# KiCad board ddr5-testbed.kicad_pcb (continued)
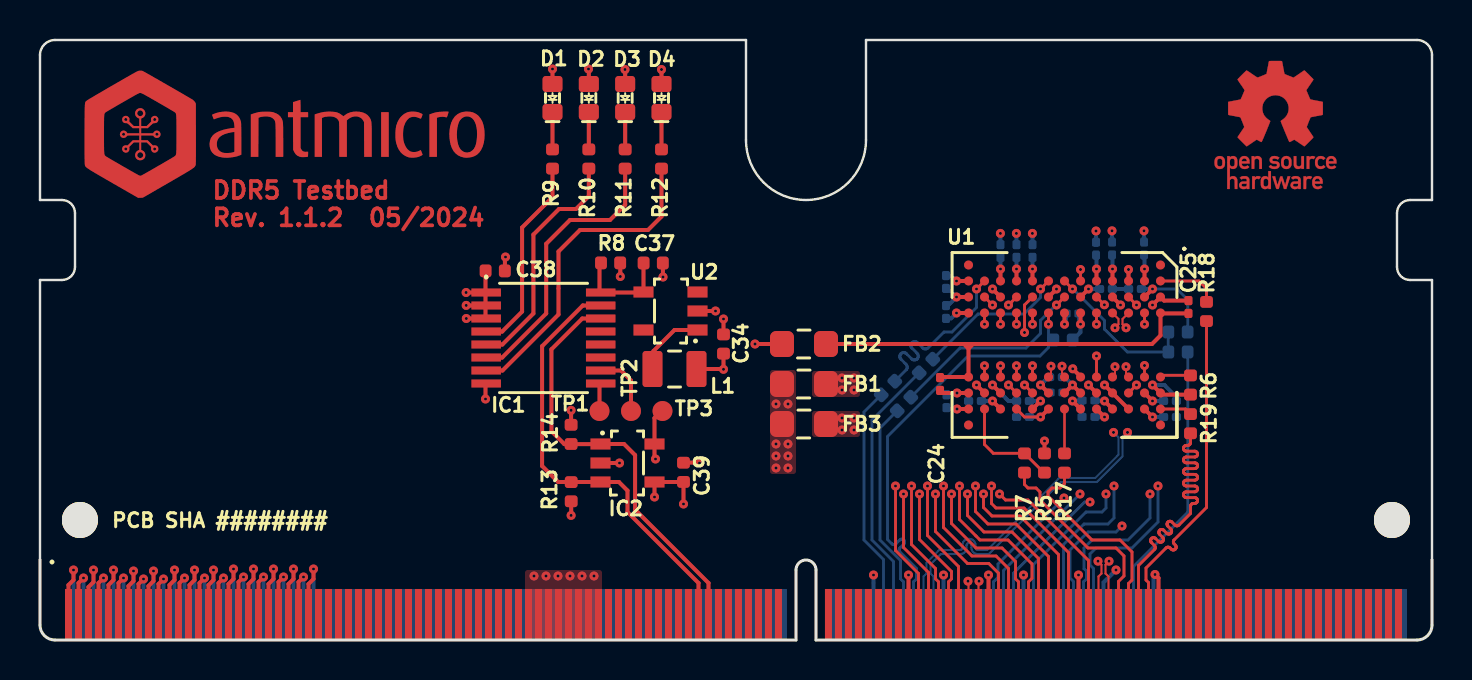
[diagram p0: board, top side]
## Routing (per net, layer and track width the routed paths; a pad name or vN(x,y) marks a point on that pad's centre or on a via; arc(x,y) is an arc through that point) (continued)
CA12: length 19.5
  Top w0.145: 47.22,16.35 v1(47.22,15.79) ; v1(42.78,7.7) 42.78,4.48 43.93,3.33 J1.163
  In2.Cu w0.102: v1(42.78,7.7) 42.78,15.05 43.19,15.47 46.9,15.47 v1(47.22,15.79)
CA13: length 20
  Top w0.145: 47.22,13.15 v1(47.22,13.71) ; J1.185 49.43,2.91 49.6,3.08 49.6,3.8 48.4,5 47,5 45.97,6.03 v1(45.97,7.7)
  In2.Cu w0.102: v1(45.97,7.7) 45.97,10.97 46.2,11.2 47.1,11.2 47.2,11.3 47.2,11.63 47.2,11.66 47.19,11.68 47.18,11.7 47.16,11.71 47.14,11.73 47.12,11.73 47.1,11.74 46.3,11.74 46.28,11.74 46.26,11.75 46.24,11.76 46.22,11.77 46.21,11.79 46.2,11.82 46.2,11.84 46.2,11.86 46.21,11.88 46.22,11.9 46.24,11.92 46.26,11.93 46.28,11.94 46.3,11.94 47.1,11.94 47.12,11.94 47.14,11.95 47.16,11.96 47.18,11.98 47.19,12 47.2,12.02 47.2,12.04 47.2,12.06 47.19,12.09 47.18,12.1 47.16,12.12 47.14,12.13 47.12,12.14 47.1,12.14 46.35,12.14 46.33,12.15 46.31,12.15 46.29,12.16 46.27,12.18 46.26,12.2 46.25,12.22 46.25,12.24 46.25,12.27 46.26,12.29 46.27,12.31 46.29,12.32 46.31,12.34 46.33,12.34 46.35,12.35 47.1,12.35 47.12,12.35 47.14,12.36 47.16,12.37 47.18,12.38 47.19,12.4 47.2,12.42 47.2,12.45 47.2,13.69 v1(47.22,13.71)
CAI: length 11.7
  Bottom w0.145: 42.06,12.26 41.2,11.4 41.2,5 42.18,4.03 42.18,1.3
CLK_N: length 22
  Top w0.102: J1.173 46.43,2.91 v1(46.4,2.94) ; v1(50.55,13.69) 50.55,13.27 U1.H8
  In2.Cu w0.102: v1(46.4,2.94) 46.5,3.04 46.5,4.25 46.85,4.59 46.92,4.66 47.01,4.7 47.11,4.72 47.21,4.72 47.31,4.7 47.4,4.66 47.48,4.59 48.04,4.03 48.06,4.01 48.09,4 48.12,4 48.14,4 48.17,4 48.2,4.01 48.22,4.03 48.23,4.05 48.25,4.08 48.25,4.11 48.25,4.13 48.25,4.16 48.23,4.19 48.22,4.21 46.69,5.74 46.62,5.82 46.58,5.91 46.56,6 46.56,6.1 46.58,6.2 46.62,6.29 46.69,6.37 46.73,6.41 46.8,6.47 46.9,6.52 46.99,6.54 47.09,6.54 47.19,6.52 47.28,6.47 47.36,6.41 48.89,4.88 48.91,4.86 48.94,4.85 48.96,4.84 48.99,4.84 49.02,4.85 49.04,4.86 49.07,4.88 49.08,4.9 49.1,4.93 49.1,4.95 49.1,4.98 49.1,5.01 49.08,5.03 49.07,5.06 48.5,5.62 48.44,5.7 48.4,5.79 48.37,5.88 48.37,5.99 48.4,6.08 48.44,6.17 48.5,6.25 50.65,8.4 50.65,13.59 v1(50.55,13.69)
CLK_P: length 22
  Top w0.102: U1.G8 51.1,13.27 v1(51.1,13.69) ; v1(46.95,2.94) 46.93,2.91 J1.175
  In2.Cu w0.102: v1(46.95,2.94) 46.85,3.04 46.85,4.1 47.07,4.33 47.1,4.34 47.12,4.36 47.15,4.36 47.18,4.36 47.2,4.36 47.23,4.34 47.25,4.33 47.81,3.76 47.89,3.7 47.98,3.66 48.08,3.63 48.18,3.63 48.28,3.66 48.37,3.7 48.45,3.76 48.49,3.8 48.55,3.88 48.59,3.97 48.61,4.07 48.61,4.17 48.59,4.27 48.55,4.36 48.49,4.44 46.96,5.97 46.94,5.99 46.93,6.01 46.92,6.04 46.92,6.07 46.93,6.09 46.94,6.12 46.96,6.14 46.98,6.16 47,6.17 47.03,6.18 47.06,6.18 47.08,6.17 47.11,6.16 47.13,6.14 48.66,4.61 48.74,4.55 48.83,4.51 48.93,4.48 49.03,4.48 49.13,4.51 49.22,4.55 49.3,4.61 49.33,4.65 49.4,4.73 49.44,4.82 49.46,4.92 49.46,5.02 49.44,5.12 49.4,5.21 49.33,5.28 48.77,5.85 48.75,5.87 48.74,5.89 48.74,5.92 48.74,5.95 48.74,5.98 48.75,6 48.77,6.02 51,8.25 51,13.59 v1(51.1,13.69)
CS_N: length 22.3
  Top w0.145: 50.43,16.35 v1(50.43,15.79)
  Bottom w0.102: 50.43,14.97 50.45,15 50.66,15
  Bottom w0.145: 43.68,1.3 43.68,2.91 43.82,3.06 43.82,3.58 43,4.4 42.98,4.43 42.97,4.45 42.96,4.49 42.96,4.52 42.97,4.55 42.98,4.58 43,4.61 43.19,4.79 43.21,4.82 43.22,4.85 43.23,4.88 43.23,4.91 43.22,4.94 43.21,4.97 43.19,5 43.16,5.02 43.13,5.03 43.1,5.04 43.07,5.04 43.04,5.03 43.01,5.02 42.98,5 42.79,4.81 42.77,4.79 42.74,4.78 42.71,4.77 42.68,4.77 42.64,4.78 42.62,4.79 42.59,4.81 42.38,5.02 42.38,10.18 46.4,14.2 50,14.2 50.43,14.62 v1(50.43,15.79)
DQ0: length 20.4
  Top w0.145: 54.43,17.15 v1(54.82,16.75)
  In2.Cu w0.102: v1(55.9,7.7) 55.9,8.3 57.6,10 57.6,13.97 v1(54.82,16.75)
  Bottom w0.145: v1(55.9,7.7) 55.9,5.9 54.6,4.6 52.8,4.6 52.5,4.3 52.5,3.75 52.68,3.57 52.68,1.3
DQ1: length 20.4
  Top w0.145: 54.43,12.35 v1(54.82,12.75)
  In2.Cu w0.102: v1(53.7,7.7) 53.6,7.8 53.6,8 53.6,8.02 53.61,8.04 53.62,8.06 53.64,8.08 53.66,8.09 53.68,8.1 53.7,8.1 53.82,8.1 53.85,8.1 53.87,8.11 53.89,8.12 53.9,8.14 53.91,8.16 53.92,8.18 53.92,8.2 53.92,8.23 53.91,8.25 53.9,8.27 53.89,8.28 53.87,8.29 53.85,8.3 53.82,8.3 53.7,8.3 53.68,8.31 53.66,8.31 53.64,8.33 53.62,8.34 53.61,8.36 53.6,8.38 53.6,8.41 53.6,8.43 53.61,8.45 53.62,8.47 53.64,8.49 53.66,8.5 53.68,8.51 53.7,8.51 53.82,8.51 53.85,8.51 53.87,8.52 53.89,8.53 53.9,8.55 53.91,8.57 53.92,8.59 53.92,8.61 53.92,8.63 53.91,8.65 53.9,8.67 53.89,8.69 53.87,8.7 53.85,8.71 53.82,8.71 53.7,8.71 53.68,8.71 53.66,8.72 53.64,8.73 53.62,8.75 53.61,8.77 53.6,8.79 53.6,8.81 53.6,8.84 53.61,8.86 53.62,8.88 53.64,8.89 53.66,8.9 53.68,8.91 53.7,8.91 53.82,8.91 53.85,8.92 53.87,8.92 53.89,8.94 53.9,8.95 53.91,8.97 53.92,8.99 53.92,9.02 53.92,9.04 53.91,9.06 53.9,9.08 53.89,9.1 53.87,9.11 53.85,9.12 53.82,9.12 53.7,9.12 53.68,9.12 53.66,9.13 53.64,9.14 53.62,9.16 53.61,9.18 53.6,9.2 53.6,9.22 53.6,9.8 53.8,10 53.89,10 53.91,10 53.93,9.99 53.95,9.98 53.97,9.96 53.98,9.94 53.99,9.92 53.99,9.9 53.99,9.6 53.99,9.58 54,9.56 54.01,9.54 54.03,9.52 54.05,9.51 54.07,9.5 54.09,9.5 54.11,9.5 54.13,9.51 54.15,9.52 54.17,9.54 54.18,9.56 54.19,9.58 54.19,9.6 54.19,9.9 54.19,9.92 54.2,9.94 54.21,9.96 54.23,9.98 54.25,9.99 54.27,10 54.29,10 54.32,10 54.34,9.99 54.36,9.98 54.37,9.96 54.39,9.94 54.39,9.92 54.4,9.9 54.4,9.6 54.4,9.58 54.41,9.56 54.42,9.54 54.43,9.52 54.45,9.51 54.47,9.5 54.5,9.5 54.52,9.5 54.54,9.51 54.56,9.52 54.58,9.54 54.59,9.56 54.6,9.58 54.6,9.6 54.6,9.9 54.6,9.92 54.61,9.94 54.62,9.96 54.64,9.98 54.66,9.99 54.68,10 54.7,10 54.82,10.12 54.82,10.67 54.82,10.7 54.81,10.72 54.8,10.74 54.79,10.75 54.77,10.77 54.75,10.77 54.72,10.78 54.53,10.78 54.5,10.78 54.48,10.79 54.46,10.8 54.45,10.81 54.44,10.83 54.43,10.86 54.43,10.88 54.43,10.9 54.44,10.92 54.45,10.94 54.46,10.96 54.48,10.97 54.5,10.98 54.53,10.98 54.72,10.98 54.75,10.98 54.77,10.99 54.79,11 54.8,11.02 54.81,11.04 54.82,11.06 54.82,11.08 54.82,11.1 54.81,11.13 54.8,11.14 54.79,11.16 54.77,11.17 54.75,11.18 54.72,11.18 54.53,11.18 54.5,11.19 54.48,11.19 54.46,11.21 54.45,11.22 54.44,11.24 54.43,11.26 54.43,11.28 54.43,11.31 54.44,11.33 54.45,11.35 54.46,11.36 54.48,11.38 54.5,11.38 54.53,11.39 54.72,11.39 54.75,11.39 54.77,11.4 54.79,11.41 54.8,11.42 54.81,11.44 54.82,11.47 54.82,11.49 54.82,11.51 54.81,11.53 54.8,11.55 54.79,11.57 54.77,11.58 54.75,11.59 54.72,11.59 54.53,11.59 54.5,11.59 54.48,11.6 54.46,11.61 54.45,11.63 54.44,11.65 54.43,11.67 54.43,11.69 54.43,11.71 54.44,11.74 54.45,11.75 54.46,11.77 54.48,11.78 54.5,11.79 54.53,11.79 54.72,11.79 54.75,11.8 54.77,11.8 54.79,11.81 54.8,11.83 54.81,11.85 54.82,11.87 54.82,11.89 54.82,11.92 54.81,11.94 54.8,11.96 54.79,11.97 54.77,11.99 54.75,11.99 54.72,12 54.53,12 54.5,12 54.48,12.01 54.46,12.02 54.45,12.03 54.44,12.05 54.43,12.07 54.43,12.1 54.43,12.12 54.44,12.14 54.45,12.16 54.46,12.18 54.48,12.19 54.5,12.2 54.53,12.2 54.72,12.2 54.75,12.2 54.77,12.21 54.79,12.22 54.8,12.24 54.81,12.26 54.82,12.28 54.82,12.3 v1(54.82,12.75)
  Bottom w0.145: v1(53.7,7.7) 53.7,6.1 53.4,5.8 52.2,5.8 51.18,4.78 51.18,1.3
DQ2: length 21
  Top w0.145: 55.22,16.35 v1(55.22,15.79)
  In2.Cu w0.102: v1(55.22,15.79) 55.41,15.61 55.43,15.59 55.44,15.56 55.44,15.53 55.44,15.5 55.44,15.48 55.43,15.45 55.41,15.43 55.34,15.37 55.33,15.34 55.31,15.32 55.31,15.29 55.31,15.26 55.31,15.23 55.33,15.21 55.34,15.19 55.37,15.17 55.39,15.16 55.42,15.15 55.45,15.15 55.48,15.16 55.5,15.17 55.52,15.19 55.59,15.25 55.61,15.27 55.63,15.28 55.66,15.29 55.69,15.29 55.72,15.28 55.74,15.27 55.77,15.25 55.78,15.23 55.8,15.2 55.8,15.17 55.8,15.15 55.8,15.12 55.78,15.09 55.77,15.07 55.7,15.01 55.69,14.99 55.67,14.96 55.67,14.93 55.67,14.9 55.67,14.88 55.69,14.85 55.7,14.83 55.73,14.81 55.75,14.8 55.78,14.79 55.81,14.79 55.83,14.8 55.86,14.81 55.88,14.83 55.94,14.89 55.97,14.91 55.99,14.92 56.02,14.93 56.05,14.93 56.08,14.92 56.1,14.91 56.12,14.89 56.14,14.87 56.15,14.84 56.16,14.82 56.16,14.79 56.15,14.76 56.14,14.73 56.12,14.71 56.06,14.65 56.04,14.63 56.03,14.6 56.02,14.57 56.02,14.55 56.03,14.52 56.04,14.49 56.06,14.47 56.08,14.45 56.11,14.44 56.14,14.43 56.16,14.43 56.19,14.44 56.22,14.45 56.24,14.47 56.3,14.53 56.32,14.55 56.35,14.56 56.38,14.57 56.41,14.57 56.43,14.56 56.46,14.55 56.48,14.53 56.5,14.51 56.51,14.49 56.52,14.46 56.52,14.43 56.51,14.4 56.5,14.38 56.48,14.35 56.42,14.29 56.4,14.27 56.39,14.24 56.38,14.22 56.38,14.19 56.39,14.16 56.4,14.13 56.42,14.11 56.44,14.09 56.47,14.08 56.49,14.08 56.52,14.08 56.55,14.08 56.58,14.09 56.6,14.11 56.66,14.18 56.68,14.19 56.71,14.21 56.74,14.21 56.76,14.21 56.79,14.21 56.82,14.19 56.84,14.18 57.2,13.81 57.2,10.2 55.5,8.5 v1(55.5,7.3)
  Bottom w0.145: v1(55.5,7.3) 55.5,6.1 54.4,5 52.6,5 52.2,4.6 52.2,3.57 52.32,3.44 52.32,3.06 52.18,2.91 52.18,1.3
DQ3: length 20.4
  Top w0.145: U1.B8 v1(55.22,13.72)
  In2.Cu w0.102: v1(55.22,13.72) 55.22,10.84 55.23,10.82 55.24,10.79 55.25,10.77 55.26,10.76 55.28,10.75 55.3,10.74 55.33,10.74 55.57,10.74 55.6,10.73 55.62,10.73 55.64,10.71 55.65,10.7 55.66,10.68 55.67,10.66 55.68,10.63 55.67,10.61 55.66,10.59 55.65,10.57 55.64,10.56 55.62,10.54 55.6,10.54 55.57,10.53 55.33,10.53 55.3,10.53 55.28,10.52 55.26,10.51 55.25,10.49 55.24,10.48 55.23,10.45 55.22,10.43 55.23,10.41 55.24,10.39 55.25,10.37 55.26,10.35 55.28,10.34 55.3,10.33 55.33,10.33 55.57,10.33 55.6,10.33 55.62,10.32 55.64,10.31 55.65,10.29 55.66,10.27 55.67,10.25 55.68,10.23 55.67,10.21 55.66,10.18 55.65,10.16 55.64,10.15 55.62,10.14 55.6,10.13 55.57,10.13 55.33,10.13 55.3,10.12 55.28,10.12 55.26,10.1 55.25,10.09 55.24,10.07 55.23,10.05 55.22,10.03 55.22,9.72 54.3,8.8 54.3,7.22 54.3,7.2 54.29,7.18 54.28,7.16 54.26,7.14 54.24,7.13 54.22,7.12 54.2,7.12 53.73,7.12 53.7,7.12 53.68,7.11 53.66,7.1 53.65,7.08 53.64,7.06 53.63,7.04 53.63,7.02 53.63,6.99 53.64,6.97 53.65,6.95 53.66,6.94 53.68,6.92 53.7,6.92 53.73,6.91 54.2,6.91 54.22,6.91 54.24,6.9 54.26,6.89 54.28,6.88 54.29,6.86 54.3,6.84 54.3,6.81 54.3,6.79 54.29,6.77 54.28,6.75 54.26,6.73 54.24,6.72 54.22,6.71 54.2,6.71 53.73,6.71 53.7,6.71 53.68,6.7 53.66,6.69 53.65,6.67 53.64,6.65 53.63,6.63 53.63,6.61 53.63,6.59 53.64,6.57 53.65,6.55 53.66,6.53 53.68,6.52 53.7,6.51 53.73,6.51 54.2,6.51 54.22,6.51 54.24,6.5 54.26,6.49 54.28,6.47 54.29,6.45 54.3,6.43 54.3,6.41 54.3,6.38 54.29,6.36 54.28,6.34 54.26,6.33 54.24,6.31 54.22,6.31 54.2,6.3 53.73,6.3 53.7,6.3 53.68,6.29 53.66,6.28 53.65,6.27 53.64,6.25 53.63,6.23 53.63,6.2 53.63,6.18 53.64,6.16 53.65,6.14 53.66,6.12 53.68,6.11 53.7,6.1 53.73,6.1 54.2,6.1 54.22,6.1 54.24,6.09 54.26,6.08 54.28,6.06 54.29,6.04 54.3,6.02 54.3,6 54.3,5.9 v1(54.1,5.7)
  Bottom w0.145: v1(54.1,5.7) 53.8,5.4 52.4,5.4 51.5,4.5 51.5,3.1 51.68,2.92 51.68,1.3
DQ4: length 20.4
  Top w0.145: 52.82,17.15 53.22,16.76 v1(53.22,16.76)
  In2.Cu w0.102: v1(53.22,16.76) 53.22,16.33 53.22,16.3 53.23,16.28 53.24,16.26 53.26,16.25 53.28,16.23 53.3,16.23 53.32,16.22 53.49,16.22 53.51,16.22 53.53,16.21 53.55,16.2 53.57,16.19 53.58,16.17 53.58,16.15 53.59,16.12 53.58,16.1 53.58,16.08 53.57,16.06 53.55,16.04 53.53,16.03 53.51,16.02 53.49,16.02 53.32,16.02 53.3,16.02 53.28,16.01 53.26,16 53.24,15.98 53.23,15.96 53.22,15.94 53.22,15.92 53.22,15.28 53.22,15.26 53.23,15.24 53.24,15.22 53.26,15.2 53.28,15.19 53.3,15.18 53.32,15.18 53.47,15.18 53.49,15.18 53.51,15.17 53.53,15.16 53.55,15.14 53.56,15.12 53.57,15.1 53.57,15.08 53.57,15.05 53.56,15.03 53.55,15.01 53.53,15 53.51,14.99 53.49,14.98 53.47,14.98 53.32,14.98 53.3,14.97 53.28,14.97 53.26,14.95 53.24,14.94 53.23,14.92 53.22,14.9 53.22,14.87 53.22,14.85 53.23,14.83 53.24,14.81 53.26,14.79 53.28,14.78 53.3,14.77 53.32,14.77 53.47,14.77 53.49,14.77 53.51,14.76 53.53,14.75 53.55,14.73 53.56,14.71 53.57,14.69 53.57,14.67 53.57,14.65 53.56,14.63 53.55,14.61 53.53,14.59 53.51,14.58 53.49,14.57 53.47,14.57 53.32,14.57 53.3,14.57 53.28,14.56 53.26,14.55 53.24,14.53 53.23,14.51 53.22,14.49 53.22,14.47 53.22,14.44 53.23,14.42 53.24,14.4 53.26,14.39 53.28,14.38 53.3,14.37 53.32,14.37 53.47,14.37 53.49,14.36 53.51,14.36 53.53,14.34 53.55,14.33 53.56,14.31 53.57,14.29 53.57,14.26 53.57,14.24 53.56,14.22 53.55,14.2 53.53,14.18 53.51,14.17 53.49,14.16 53.47,14.16 53.32,14.16 53.3,14.16 53.28,14.15 53.26,14.14 53.24,14.12 53.23,14.1 53.22,14.08 53.22,14.06 53.22,13.52 53.6,13.14 53.6,10.86 53.3,10.56 53.3,7.3 v1(53.3,7.3)
  Bottom w0.145: v1(53.3,7.3) 53.3,6.6 53.1,6.4 52.3,6.4 49.68,3.78 49.68,1.3
DQ5: length 20.4
  Top w0.2: 52.82,12.35 v1(52.43,12.75)
  In2.Cu w0.102: v1(52.43,12.75) 52.43,12.72 52.3,12.6 52.3,11.5 52,11.2 52,11.1 52,11.08 52.01,11.06 52.02,11.04 52.04,11.02 52.06,11.01 52.08,11 52.1,11 52.4,11 52.42,11 52.44,10.99 52.46,10.98 52.48,10.96 52.49,10.94 52.5,10.92 52.5,10.9 52.5,10.87 52.49,10.85 52.48,10.83 52.46,10.82 52.44,10.81 52.42,10.8 52.4,10.8 52.1,10.8 52.08,10.79 52.06,10.79 52.04,10.77 52.02,10.76 52.01,10.74 52,10.72 52,10.69 52,10.67 52.01,10.65 52.02,10.63 52.04,10.61 52.06,10.6 52.08,10.59 52.1,10.59 52.4,10.59 52.42,10.59 52.44,10.58 52.46,10.57 52.48,10.55 52.49,10.53 52.5,10.51 52.5,10.49 52.5,10.47 52.49,10.45 52.48,10.43 52.46,10.41 52.44,10.4 52.42,10.39 52.4,10.39 52.1,10.39 52.08,10.39 52.06,10.38 52.04,10.37 52.02,10.35 52.01,10.33 52,10.31 52,10.29 52,10.26 52.01,10.24 52.02,10.22 52.04,10.21 52.06,10.2 52.08,10.19 52.1,10.19 52.4,10.19 52.42,10.18 52.44,10.18 52.46,10.16 52.48,10.15 52.49,10.13 52.5,10.11 52.5,10.08 52.5,10.06 52.49,10.04 52.48,10.02 52.46,10 52.44,9.99 52.42,9.98 52.4,9.98 52.1,9.98 52.08,9.98 52.06,9.97 52.04,9.96 52.02,9.94 52.01,9.92 52,9.9 52,9.88 52,9.86 52.01,9.84 52.02,9.82 52.04,9.8 52.06,9.79 52.08,9.78 52.1,9.78 52.4,9.78 52.42,9.78 52.44,9.77 52.46,9.76 52.48,9.74 52.49,9.72 52.5,9.7 52.5,9.68 52.5,9.65 52.49,9.63 52.48,9.61 52.46,9.6 52.44,9.59 52.42,9.58 52.4,9.58 52.1,9.58 52.08,9.57 52.06,9.57 52.04,9.55 52.02,9.54 52.01,9.52 52,9.5 52,9.47 52,9.45 52.01,9.43 52.02,9.41 52.04,9.39 52.06,9.38 52.08,9.38 52.1,9.37 52.4,9.37 52.42,9.37 52.44,9.36 52.46,9.35 52.48,9.33 52.49,9.32 52.5,9.29 52.5,9.27 52.5,9.25 52.49,9.23 52.48,9.21 52.46,9.19 52.44,9.18 52.42,9.17 52.4,9.17 52.1,9.17 52.08,9.17 52.06,9.16 52.04,9.15 52.02,9.13 52.01,9.11 52,9.09 52,9.07 52,9.05 52.01,9.02 52.02,9 52.04,8.99 52.06,8.98 52.08,8.97 52.1,8.97 52.4,8.97 52.42,8.96 52.44,8.96 52.46,8.94 52.48,8.93 52.49,8.91 52.5,8.89 52.5,8.86 52.5,8.84 52.49,8.82 52.48,8.8 52.46,8.79 52.44,8.77 52.42,8.77 52.4,8.76 52.1,8.76 52.08,8.76 52.06,8.75 52.04,8.74 52.02,8.72 52.01,8.71 52,8.68 52,8.66 52,8.64 52.01,8.62 52.02,8.6 52.04,8.58 52.06,8.57 52.08,8.56 52.1,8.56 52.4,8.56 52.42,8.56 52.44,8.55 52.46,8.54 52.48,8.52 52.49,8.5 52.5,8.48 52.5,8.46 52.5,8.44 52.49,8.41 52.48,8.4 52.46,8.38 52.44,8.37 52.42,8.36 52.4,8.36 52.1,8.36 52.08,8.35 52.06,8.35 52.04,8.33 52.02,8.32 52.01,8.3 52,8.28 52,8.26 52,8.23 52.01,8.21 52.02,8.19 52.04,8.18 52.06,8.16 52.08,8.16 52.1,8.15 52.4,8.15 52.42,8.15 52.44,8.14 52.46,8.13 52.48,8.12 52.49,8.1 52.5,8.07 52.5,8.05 52.5,8.03 52.49,8.01 52.48,7.99 52.46,7.97 52.44,7.96 52.42,7.95 52.4,7.95 52.1,7.95 52.08,7.95 52.06,7.94 52.04,7.93 52.02,7.91 52.01,7.89 52,7.87 52,7.85 v1(52,7.3)
  Bottom w0.145: v1(52,7.3) 48.18,3.47 48.18,1.3
DQ6: length 20.4
  Top w0.145: 52.82,16.35 v1(52.82,15.79)
  In2.Cu w0.102: v1(51.2,7.1) 51.4,7.3 51.4,8.26 51.4,8.28 51.41,8.3 51.42,8.32 51.44,8.33 51.46,8.35 51.48,8.35 51.5,8.36 51.62,8.36 51.64,8.36 51.66,8.37 51.68,8.38 51.7,8.4 51.71,8.41 51.72,8.44 51.72,8.46 51.72,8.48 51.71,8.5 51.7,8.52 51.68,8.54 51.66,8.55 51.64,8.56 51.62,8.56 51.5,8.56 51.48,8.56 51.46,8.57 51.44,8.58 51.42,8.6 51.41,8.62 51.4,8.64 51.4,8.66 51.4,8.68 51.41,8.71 51.42,8.72 51.44,8.74 51.46,8.75 51.48,8.76 51.5,8.76 51.62,8.76 51.64,8.77 51.66,8.77 51.68,8.79 51.7,8.8 51.71,8.82 51.72,8.84 51.72,8.86 51.72,8.89 51.71,8.91 51.7,8.93 51.68,8.94 51.66,8.96 51.64,8.96 51.62,8.97 51.5,8.97 51.48,8.97 51.46,8.98 51.44,8.99 51.42,9 51.41,9.02 51.4,9.05 51.4,9.07 51.4,9.09 51.41,9.11 51.42,9.13 51.44,9.15 51.46,9.16 51.48,9.17 51.5,9.17 51.62,9.17 51.64,9.17 51.66,9.18 51.68,9.19 51.7,9.21 51.71,9.23 51.72,9.25 51.72,9.27 51.72,9.29 51.71,9.32 51.7,9.33 51.68,9.35 51.66,9.36 51.64,9.37 51.62,9.37 51.5,9.37 51.48,9.38 51.46,9.38 51.44,9.39 51.42,9.41 51.41,9.43 51.4,9.45 51.4,9.47 51.4,9.5 51.41,9.52 51.42,9.54 51.44,9.55 51.46,9.57 51.48,9.57 51.5,9.58 51.62,9.58 51.64,9.58 51.66,9.59 51.68,9.6 51.7,9.61 51.71,9.63 51.72,9.65 51.72,9.68 51.72,9.7 51.71,9.72 51.7,9.74 51.68,9.76 51.66,9.77 51.64,9.78 51.62,9.78 51.5,9.78 51.48,9.78 51.46,9.79 51.44,9.8 51.42,9.82 51.41,9.84 51.4,9.86 51.4,9.88 51.4,9.9 51.41,9.92 51.42,9.94 51.44,9.96 51.46,9.97 51.48,9.98 51.5,9.98 51.62,9.98 51.64,9.98 51.66,9.99 51.68,10 51.7,10.02 51.71,10.04 51.72,10.06 51.72,10.08 51.72,10.11 51.71,10.13 51.7,10.15 51.68,10.16 51.66,10.18 51.64,10.18 51.62,10.19 51.5,10.19 51.48,10.19 51.46,10.2 51.44,10.21 51.42,10.22 51.41,10.24 51.4,10.26 51.4,10.29 51.4,10.31 51.41,10.33 51.42,10.35 51.44,10.37 51.46,10.38 51.48,10.39 51.5,10.39 51.62,10.39 51.64,10.39 51.66,10.4 51.68,10.41 51.7,10.43 51.71,10.45 51.72,10.47 51.72,10.49 51.72,10.51 51.71,10.53 51.7,10.55 51.68,10.57 51.66,10.58 51.64,10.59 51.62,10.59 51.5,10.59 51.48,10.59 51.46,10.6 51.44,10.61 51.42,10.63 51.41,10.65 51.4,10.67 51.4,10.69 51.4,10.72 51.41,10.74 51.42,10.76 51.44,10.77 51.46,10.79 51.48,10.79 51.5,10.8 51.62,10.8 51.64,10.8 51.66,10.81 51.68,10.82 51.7,10.83 51.71,10.85 51.72,10.87 51.72,10.9 51.72,10.92 51.71,10.94 51.7,10.96 51.68,10.98 51.66,10.99 51.64,11 51.62,11 51.5,11 51.48,11 51.46,11.01 51.44,11.02 51.42,11.04 51.41,11.06 51.4,11.08 51.4,11.1 51.4,11.17 52.05,11.81 52.05,15.01 v1(52.82,15.79)
  Bottom w0.145: 47.68,1.3 47.68,2.91 47.9,3.13 47.9,3.8 v1(51.2,7.1)
DQ7: length 20.4
  Top w0.145: 52.82,13.15 v1(52.82,14.2)
  In2.Cu w0.102: v1(52.82,14.2) 52.82,13.9 52.82,13.88 52.81,13.86 52.8,13.84 52.79,13.82 52.77,13.81 52.75,13.8 52.72,13.8 52.44,13.8 52.41,13.8 52.39,13.79 52.37,13.78 52.36,13.76 52.34,13.74 52.34,13.72 52.33,13.7 52.34,13.67 52.34,13.65 52.36,13.63 52.37,13.62 52.39,13.61 52.41,13.6 52.44,13.6 52.72,13.6 52.75,13.59 52.77,13.59 52.79,13.57 52.8,13.56 52.81,13.54 52.82,13.52 52.82,13.49 52.82,13.47 52.81,13.45 52.8,13.43 52.79,13.41 52.77,13.4 52.75,13.39 52.72,13.39 52.44,13.39 52.41,13.39 52.39,13.38 52.37,13.37 52.36,13.35 52.34,13.33 52.34,13.31 52.33,13.29 52.34,13.27 52.34,13.25 52.36,13.23 52.37,13.21 52.39,13.2 52.41,13.19 52.44,13.19 52.72,13.19 52.75,13.19 52.77,13.18 52.79,13.17 52.8,13.15 52.81,13.13 52.82,13.11 52.82,13.09 52.82,11.01 52.75,10.93 52.75,10.78 52.75,10.75 52.76,10.73 52.77,10.71 52.79,10.7 52.81,10.68 52.83,10.68 52.85,10.67 52.95,10.67 52.97,10.67 52.99,10.66 53.01,10.65 53.03,10.64 53.04,10.62 53.05,10.59 53.05,10.57 53.05,10.55 53.04,10.53 53.03,10.51 53.01,10.49 52.99,10.48 52.97,10.47 52.95,10.47 52.85,10.47 52.83,10.47 52.81,10.46 52.79,10.45 52.77,10.43 52.76,10.41 52.75,10.39 52.75,10.37 52.75,10.35 52.76,10.32 52.77,10.31 52.79,10.29 52.81,10.28 52.83,10.27 52.85,10.27 52.95,10.27 52.97,10.26 52.99,10.26 53.01,10.24 53.03,10.23 53.04,10.21 53.05,10.19 53.05,10.17 53.05,10.14 53.04,10.12 53.03,10.1 53.01,10.09 52.99,10.07 52.97,10.07 52.95,10.06 52.85,10.06 52.83,10.06 52.81,10.05 52.79,10.04 52.77,10.03 52.76,10.01 52.75,9.98 52.75,9.96 52.75,9.94 52.76,9.92 52.77,9.9 52.79,9.88 52.81,9.87 52.83,9.86 52.85,9.86 52.95,9.86 52.97,9.86 52.99,9.85 53.01,9.84 53.03,9.82 53.04,9.8 53.05,9.78 53.05,9.76 53.05,9.74 53.04,9.71 53.03,9.7 53.01,9.68 52.99,9.67 52.97,9.66 52.95,9.66 52.85,9.66 52.83,9.65 52.81,9.65 52.79,9.64 52.77,9.62 52.76,9.6 52.75,9.58 52.75,9.56 52.75,9.53 52.76,9.51 52.77,9.49 52.79,9.48 52.81,9.46 52.83,9.46 52.85,9.45 52.95,9.45 52.97,9.45 52.99,9.44 53.01,9.43 53.03,9.42 53.04,9.4 53.05,9.38 53.05,9.35 53.05,9.33 53.04,9.31 53.03,9.29 53.01,9.27 52.99,9.26 52.97,9.25 52.95,9.25 52.85,9.25 52.83,9.25 52.81,9.24 52.79,9.23 52.77,9.21 52.76,9.19 52.75,9.17 52.75,9.15 52.75,9.13 52.76,9.11 52.77,9.09 52.79,9.07 52.81,9.06 52.83,9.05 52.85,9.05 52.95,9.05 52.97,9.05 52.99,9.04 53.01,9.03 53.03,9.01 53.04,8.99 53.05,8.97 53.05,8.95 53.05,8.92 53.04,8.9 53.03,8.88 53.01,8.87 52.99,8.85 52.97,8.85 52.95,8.84 52.85,8.84 52.83,8.84 52.81,8.83 52.79,8.82 52.77,8.81 52.76,8.79 52.75,8.77 52.75,8.74 52.75,8.72 52.76,8.7 52.77,8.68 52.79,8.66 52.81,8.65 52.83,8.64 52.85,8.64 52.95,8.64 52.97,8.64 52.99,8.63 53.01,8.62 53.03,8.6 53.04,8.58 53.05,8.56 53.05,8.54 53.05,8.52 53.04,8.5 53.03,8.48 53.01,8.46 52.99,8.45 52.97,8.44 52.95,8.44 52.85,8.44 52.83,8.44 52.81,8.43 52.79,8.42 52.77,8.4 52.76,8.38 52.75,8.36 52.75,8.34 52.75,8.31 52.76,8.29 52.77,8.27 52.79,8.26 52.81,8.25 52.83,8.24 52.85,8.23 52.95,8.23 52.97,8.23 52.99,8.22 53.01,8.21 53.03,8.2 53.04,8.18 53.05,8.16 53.05,8.13 53.05,8.11 53.04,8.09 53.03,8.07 53.01,8.05 52.99,8.04 52.97,8.03 52.95,8.03 52.85,8.03 52.83,8.03 52.81,8.02 52.79,8.01 52.77,7.99 52.76,7.97 52.75,7.95 52.75,7.93 52.75,7.15 v1(52.5,6.9)
  Bottom w0.145: v1(52.5,6.9) 52.23,6.9 48.68,3.34 48.68,1.3
DQS_N: length 20.4
  Top w0.102: v1(53.75,15.61) 53.92,15.78 53.92,16.05 53.62,16.35 ; v1(52.9,3.94) 53.07,3.77 53.07,3.32 52.93,3.18 J1.199
  In2.Cu w0.102: v1(52.9,3.94) 53,4.04 53,4.49 53.39,4.88 54.33,4.88 54.62,5.17 54.62,5.35 54.64,5.46 54.67,5.56 54.73,5.65 54.8,5.72 54.89,5.78 54.99,5.81 55.1,5.83 55.54,5.83 55.58,5.83 55.61,5.84 55.64,5.86 55.66,5.88 55.68,5.91 55.69,5.94 55.69,5.97 55.69,6.01 55.68,6.04 55.66,6.07 55.64,6.09 55.61,6.11 55.58,6.12 55.54,6.12 55.1,6.12 54.99,6.14 54.89,6.17 54.8,6.23 54.73,6.3 54.67,6.39 54.64,6.49 54.62,6.6 54.62,8.67 56.22,10.27 56.22,13.33 55.13,14.42 54.33,14.42 53.85,14.9 53.85,15.51 v1(53.75,15.61)
DQS_P: length 20.4
  Top w0.102: v1(54.3,15.61) 54.13,15.78 54.13,16.05 54.43,16.35 ; J1.201 53.43,3.18 53.28,3.32 53.28,3.77 v1(53.45,3.94)
  In2.Cu w0.102: v1(53.45,3.94) 53.35,4.04 53.35,4.34 53.53,4.52 54.47,4.52 54.98,5.03 54.98,5.32 54.98,5.36 54.99,5.39 55.01,5.42 55.03,5.44 55.06,5.46 55.09,5.47 55.12,5.47 55.57,5.47 55.68,5.49 55.78,5.52 55.87,5.58 55.94,5.65 56,5.74 56.03,5.84 56.05,5.95 56.05,6 56.03,6.11 56,6.21 55.94,6.3 55.87,6.37 55.78,6.43 55.68,6.46 55.57,6.47 55.12,6.47 55.09,6.48 55.06,6.49 55.03,6.51 55.01,6.53 54.99,6.56 54.98,6.59 54.98,6.62 54.98,8.53 56.58,10.13 56.58,13.48 55.28,14.78 54.47,14.78 54.2,15.05 54.2,15.51 v1(54.3,15.61)
LBDQ: length 16.4
  Top w0.145: 58.32,15.94 58.32,6.62 56.71,5.01 56.69,4.98 56.68,4.96 56.67,4.92 56.67,4.89 56.68,4.86 56.69,4.83 56.71,4.81 56.77,4.75 56.79,4.72 56.8,4.69 56.81,4.66 56.81,4.63 56.8,4.6 56.79,4.57 56.77,4.54 56.74,4.52 56.71,4.51 56.68,4.5 56.65,4.5 56.62,4.51 56.59,4.52 56.56,4.54 56.51,4.6 56.48,4.62 56.45,4.63 56.42,4.64 56.39,4.64 56.35,4.63 56.33,4.62 56.3,4.6 55.3,3.6 55.3,3 55.43,2.88 J1.209
LBDQS: length 18
  Top w0.145: 57.53,10.33 57.53,9.88 57.52,9.84 57.51,9.81 57.49,9.78 57.47,9.76 57.44,9.74 57.41,9.73 57.38,9.73 57.32,9.73 57.29,9.73 57.26,9.72 57.23,9.7 57.21,9.68 57.19,9.65 57.18,9.62 57.18,9.58 57.18,9.55 57.19,9.52 57.21,9.49 57.23,9.47 57.26,9.45 57.29,9.44 57.32,9.44 57.73,9.44 57.76,9.44 57.79,9.43 57.82,9.41 57.84,9.39 57.86,9.36 57.87,9.33 57.88,9.3 57.87,9.26 57.86,9.23 57.84,9.2 57.82,9.18 57.79,9.16 57.76,9.15 57.73,9.15 57.32,9.15 57.29,9.15 57.26,9.14 57.23,9.12 57.21,9.1 57.19,9.07 57.18,9.04 57.18,9 57.18,8.97 57.19,8.94 57.21,8.91 57.23,8.89 57.26,8.87 57.29,8.86 57.32,8.86 57.73,8.86 57.76,8.86 57.79,8.85 57.82,8.83 57.84,8.81 57.86,8.78 57.87,8.75 57.88,8.72 57.87,8.68 57.86,8.65 57.84,8.62 57.82,8.6 57.79,8.58 57.76,8.57 57.73,8.57 57.32,8.57 57.29,8.57 57.26,8.56 57.23,8.54 57.21,8.52 57.19,8.49 57.18,8.46 57.18,8.42 57.18,8.39 57.19,8.36 57.21,8.33 57.23,8.31 57.26,8.29 57.29,8.28 57.32,8.28 57.73,8.28 57.76,8.28 57.79,8.27 57.82,8.25 57.84,8.23 57.86,8.2 57.87,8.17 57.88,8.14 57.87,8.1 57.86,8.07 57.84,8.04 57.82,8.02 57.79,8 57.76,7.99 57.73,7.99 57.32,7.99 57.29,7.99 57.26,7.98 57.23,7.96 57.21,7.94 57.19,7.91 57.18,7.88 57.18,7.84 57.18,7.81 57.19,7.78 57.21,7.75 57.23,7.73 57.26,7.71 57.29,7.7 57.32,7.7 57.73,7.7 57.76,7.7 57.79,7.69 57.82,7.67 57.84,7.65 57.86,7.62 57.87,7.59 57.88,7.56 57.87,7.52 57.86,7.49 57.84,7.46 57.82,7.44 57.79,7.42 57.76,7.41 57.73,7.41 57.32,7.41 57.29,7.41 57.26,7.4 57.23,7.38 57.21,7.36 57.19,7.33 57.18,7.3 57.18,7.27 57.18,7.23 57.19,7.2 57.21,7.17 57.23,7.15 57.26,7.13 57.29,7.12 57.32,7.12 57.73,7.12 57.76,7.12 57.79,7.11 57.82,7.09 57.84,7.07 57.86,7.04 57.87,7.01 57.88,6.97 57.87,6.94 57.86,6.91 57.84,6.88 57.82,6.86 57.79,6.84 57.76,6.83 57.73,6.83 57.67,6.83 57.64,6.83 57.61,6.82 57.58,6.8 57.56,6.78 57.54,6.75 57.53,6.72 57.53,6.69 57.53,6.33 56.95,5.75 56.92,5.73 56.9,5.72 56.86,5.71 56.83,5.71 56.8,5.72 56.77,5.73 56.74,5.75 56.6,5.9 56.57,5.92 56.54,5.93 56.51,5.94 56.48,5.94 56.45,5.93 56.42,5.92 56.39,5.9 56.37,5.87 56.36,5.84 56.35,5.81 56.35,5.78 56.36,5.75 56.37,5.72 56.39,5.69 56.54,5.54 56.56,5.52 56.57,5.49 56.58,5.46 56.58,5.43 56.57,5.39 56.56,5.37 56.54,5.34 56.51,5.32 56.49,5.31 56.45,5.3 56.42,5.3 56.39,5.31 56.36,5.32 56.33,5.34 56.19,5.49 56.16,5.51 56.13,5.52 56.1,5.53 56.07,5.53 56.04,5.52 56.01,5.51 55.98,5.49 55.96,5.46 55.95,5.43 55.94,5.4 55.94,5.37 55.95,5.34 55.96,5.31 55.98,5.28 56.13,5.13 56.15,5.11 56.16,5.08 56.17,5.05 56.17,5.02 56.16,4.98 56.15,4.96 56.13,4.93 56.1,4.91 56.08,4.9 56.04,4.89 56.01,4.89 55.98,4.9 55.95,4.91 55.92,4.93 55.78,5.08 55.75,5.1 55.72,5.11 55.69,5.12 55.66,5.12 55.63,5.11 55.6,5.1 55.57,5.08 55.55,5.05 55.54,5.02 55.53,4.99 55.53,4.96 55.54,4.92 55.55,4.9 55.57,4.87 55.72,4.72 55.74,4.7 55.75,4.67 55.76,4.64 55.76,4.61 55.75,4.57 55.74,4.55 55.72,4.52 54.93,3.72 J1.207
MIR: length 11
  Bottom w0.145: 42.86,11.46 42,10.6 42,5 43.03,3.97 43.03,3.06 43.18,2.91 43.18,1.3
OTD_CA_A: length 14.2
  Bottom w0.145: 57.38,14.4 57.38,6.39 54.68,3.67 54.68,1.3
RESET_N: length 10.3
  Top w0.145: J1.203 53.93,2.93 54.2,3.2 54.2,4.2 53.8,4.6 52.4,4.6 50,7 50,7.4 49.8,7.6 49.4,7.6 49.22,7.78 49.22,8.36
SCL: length 21.3
  Top w0.2: J1.129 33.43,2.85 29.75,6.52 29.75,9.25 29.2,9.8 IC2.1 28.02,9.8 26.22,9.8 25.57,10.44 25.57,14.53 27.11,16.08 27.97,16.08
SDA: length 22.1
  Top w0.2: 27.97,16.72 27.14,16.72 25.11,14.69 25.11,8.7 25.91,7.9 IC2.3 28.94,7.9 29.38,7.47 29.38,6.4 32.93,2.85 J1.127
TDQS_N: length 20.4
  Top w0.102: 53.62,13.12 53.75,13.25 v1(53.75,13.67)
  In2.Cu w0.102: v1(53.68,10.38) 53.85,10.55 53.85,13.57 v1(53.75,13.67)
  Bottom w0.102: v1(53.68,10.38) 53.92,10.13 53.92,9.27 52.76,8.1 50.96,8.1 47.36,4.5 46.9,4.5 46.87,4.5 46.84,4.51 46.82,4.53 46.8,4.55 46.79,4.57 46.78,4.6 46.78,4.62 46.78,4.75 46.77,4.82 46.74,4.88 46.71,4.94 46.66,4.99 46.6,5.02 46.54,5.05 46.47,5.05 46.43,5.05 46.36,5.05 46.3,5.02 46.24,4.99 46.19,4.94 46.15,4.88 46.13,4.82 46.12,4.75 46.12,4.62 46.12,4.6 46.11,4.57 46.09,4.55 46.08,4.53 46.05,4.51 46.03,4.5 46,4.5 44.96,4.5 44.32,3.87 44.32,3.32 44.18,3.18 44.18,1.3
TDQS_P: length 20.4
  Top w0.102: 54.43,13.12 54.3,13.25 v1(54.3,13.67)
  In2.Cu w0.102: v1(54.3,13.67) 54.2,13.57 54.2,10.55 v1(54.38,10.38)
  Bottom w0.102: 44.68,1.3 44.68,3.18 44.53,3.32 44.53,3.78 45.04,4.3 46.02,4.3 46.09,4.31 46.15,4.33 46.21,4.37 46.26,4.41 46.29,4.47 46.32,4.54 46.32,4.61 46.32,4.73 46.33,4.76 46.34,4.78 46.35,4.8 46.37,4.82 46.39,4.84 46.42,4.85 46.45,4.85 46.48,4.85 46.5,4.84 46.53,4.82 46.54,4.8 46.56,4.78 46.57,4.76 46.57,4.73 46.57,4.61 46.58,4.54 46.6,4.47 46.64,4.41 46.69,4.37 46.75,4.33 46.81,4.31 46.88,4.3 47.44,4.3 51.04,7.9 52.84,7.9 54.13,9.18 54.13,10.13 v1(54.38,10.38)
TEN: length 10.3
  Top w0.145: 51.22,8.36 51.22,7.83 51,7.6 50.6,7.6 50.4,7.4 50.4,7.2 52.6,5 54,5 54.6,4.4 54.6,3 54.43,2.83 J1.205
VPP: length 23
  Top w0.2: 46.43,14.58 46.43,13.15 45.03,13.15 45,13.12 ; 46.43,14.58 46.2,14.8 ; 46.43,14.58 46.65,14.8 ; 46.65,14.8 55.6,14.8 56.03,15.22 56.03,16.35 56.04,16.33 C25.1 ; 46.65,14.8 46.2,14.8 ; 46.2,14.8 39.2,14.8
Net-(D1-Pad1): length 1.8
  Top w0.2: 25.62,26.35 25.62,24.53
Net-(D2-Pad1): length 1.8
  Top w0.2: 27.44,24.53 27.44,26.35
Net-(D3-Pad1): length 1.8
  Top w0.2: 29.26,26.35 29.26,24.53
Net-(D4-Pad1): length 1.8
  Top w0.2: 31.07,24.53 31.07,26.35
Net-(IC1-P0): length 10
  Top w0.2: 25.62,23.56 25.62,22.14 24.11,20.62 24.11,16.42 23.11,15.42 22.28,15.42
Net-(IC1-P1): length 11.9
  Top w0.2: 22.28,14.78 23.12,14.78 24.67,16.33 24.67,20.27 25.95,21.55 26.8,21.55 27.44,22.19 27.44,23.56
Net-(IC1-P2): length 14
  Top w0.2: 22.28,14.12 23.11,14.12 25.31,16.33 25.31,19.81 26.5,21 28.5,21 29.26,21.76 29.26,23.56
Net-(IC1-P3): length 16.2
  Top w0.2: 31.07,23.56 31.07,21.17 30.4,20.5 27,20.5 25.92,19.42 25.92,16.27 23.13,13.47 22.28,13.47
Net-(IC1-P4): length 1.3
  Top w0.2: 27.97,11.5 27.97,12.83
Net-(IC1-P5): length 3.3
  Top w0.2: 27.97,13.47 29.06,13.47 29.55,12.98 29.55,11.5
Net-(U2-SW): length 3.5
  Top w0.2: 30.68,13.55 30.68,14.45 31.72,15.5 U2.1

## Copper pours and planes (outline as drawn; the poured copper is in the pictures)
1V1_SYS on Top: 28.1,0.05 24.25,0 24.25,3.5 28.1,3.5
1V1_SYS on Top: 37.8,8.3 36.5,8.3 36.5,13.5 37.8,13.5
1V1_SYS on In4.Cu: 37.8,0 24.2,0 24.25,3.5 24.25,12.1 37.8,12.1
1V8_SYS on Bottom: 32.18,4.69 32.18,0.05 30.12,0.05 30.12,4.68 21.03,4.67 20.97,19.55 36.2,19.53 36.2,4.67
GND on In3.Cu: 69.97,0.05 -0.03,0.05 -0.03,30.05 69.97,30.05
VDD on Top: 41,12.15 38.6,12.15 38.6,13.45 41,13.45
VDD on In4.Cu: 70,0 39,0 39,30 70,30
VDDQ on Top: 41,10.15 38.6,10.15 38.6,11.45 41,11.45
VDDQ on In1.Cu: 70,0 39,0 39,30 70,30

## Text on the board
Top: DDR5 Testbed / Rev. ${REVISION}  05/2024
F.Mask: DDR5 Testbed / Rev. ${REVISION}  05/2024
F.Silkscreen: PCB SHA ########
